# Altium PCB ruler.PcbDoc (part 2 of 3)
Units mm, origin at the board's own origin, x right, y up, seen from the top; angles counter-clockwise.
Board outline 306.81 x 38.35 mm, 2 copper layers (Top Layer, Bottom Layer); 47 components, 0 nets, 446 pads, 8 vias.
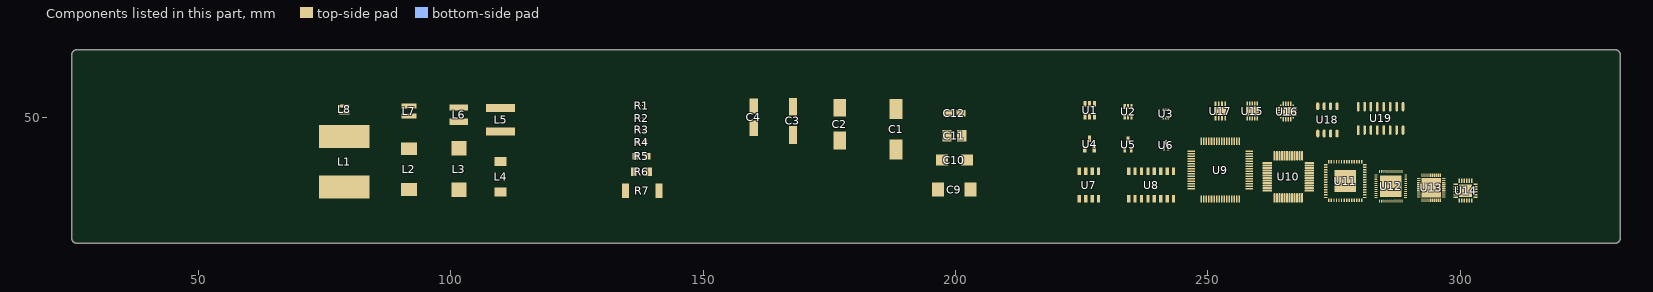
[diagram p2: the components of this part, seen from the top]

## Via types
v1: diameter 0.61, hole 0.51, Top Layer to Bottom Layer, 1 vias
v2: diameter 0.75, hole 0.65, Top Layer to Bottom Layer, 1 vias
v3: diameter 0.91, hole 0.81, Top Layer to Bottom Layer, 1 vias
v4: diameter 1.12, hole 1.02, Top Layer to Bottom Layer, 1 vias
v5: diameter 1.73, hole 1.63, Top Layer to Bottom Layer, 1 vias
v6: diameter 2.15, hole 2.05, Top Layer to Bottom Layer, 1 vias
v7: diameter 2.69, hole 2.59, Top Layer to Bottom Layer, 1 vias
v8: diameter 3.36, hole 3.26, Top Layer to Bottom Layer, 1 vias

## Nets (pads, with @x,y where several pads share a name; then routed paths per layer and width w, separated by ;. In a path a pad name is that pad's centre, name@x,y a point inside that pad or via, vN(x,y) a via of type N, cw(c..) or ccw(c..) an arc to the next point about the centre after c; other vN are vias at no path point) (continued)
copper on no net: | length 3451.8
  Top Layer w0.1: 321.691,33.718 321.691,48.218
  Top Layer w0.2: 319.786,33.718 319.786,48.218
  Top Layer w0.254: 35.858,57.246 35.958,57.246 ; 35.858,57.246 35.858,63.246 ; 35.858,57.246 35.958,57.246 ; 35.858,57.246 35.858,63.246 ; 35.858,63.246 35.958,63.246 ; 35.858,63.246 35.958,63.246 ; 35.958,57.246 35.958,63.246 ; 35.958,57.246 35.958,63.246 ; 45.858,57.246 45.958,57.246 ; 45.858,57.246 45.858,63.246 ; 45.858,57.246 45.958,57.246 ; 45.858,57.246 45.858,63.246 ; 45.858,63.246 45.958,63.246 ; 45.858,63.246 45.958,63.246 ; 45.958,57.246 45.958,63.246 ; 45.958,57.246 45.958,63.246 ; 55.858,57.246 55.958,57.246 ; 55.858,57.246 55.858,63.246 ; 55.858,57.246 55.958,57.246 ; 55.858,57.246 55.858,63.246 ; 55.858,63.246 55.958,63.246 ; 55.858,63.246 55.958,63.246 ; 55.958,57.246 55.958,63.246 ; 55.958,57.246 55.958,63.246 ; 65.858,57.246 65.958,57.246 ; 65.858,57.246 65.858,63.246 ; 65.858,57.246 65.958,57.246 ; 65.858,57.246 65.858,63.246 ; 65.858,63.246 65.958,63.246 ; 65.858,63.246 65.958,63.246 ; 65.958,57.246 65.958,63.246 ; 65.958,57.246 65.958,63.246 ; 75.858,57.246 75.958,57.246 ; 75.858,57.246 75.858,63.246 ; 75.858,57.246 75.958,57.246 ; 75.858,57.246 75.858,63.246 ; 75.858,63.246 75.958,63.246 ; 75.858,63.246 75.958,63.246 ; 75.958,57.246 75.958,63.246 ; 75.958,57.246 75.958,63.246 ; 76.658,25.146 76.758,25.146 ; 76.658,25.146 76.658,31.146 ; 76.658,25.146 76.758,25.146 ; 76.658,25.146 76.658,31.146 ; 76.658,31.146 76.758,31.146 ; 76.658,31.146 76.758,31.146 ; 76.758,25.146 76.758,31.146 ; 76.758,25.146 76.758,31.146 ; 85.858,57.246 85.958,57.246 ; 85.858,57.246 85.858,63.246 ; 85.858,57.246 85.958,57.246 ; 85.858,57.246 85.858,63.246 ; 85.858,63.246 85.958,63.246 ; 85.858,63.246 85.958,63.246 ; 85.958,57.246 85.958,63.246 ; 85.958,57.246 85.958,63.246 ; 95.858,57.246 95.958,57.246 ; 95.858,57.246 95.858,63.246 ; 95.858,57.246 95.958,57.246 ; 95.858,57.246 95.858,63.246 ; 95.858,63.246 95.958,63.246 ; 95.858,63.246 95.958,63.246 ; 95.958,57.246 95.958,63.246 ; 95.958,57.246 95.958,63.246 ; 102.008,25.146 102.108,25.146 ; 102.008,25.146 102.008,31.146 ; 102.008,25.146 102.108,25.146 ; 102.008,25.146 102.008,31.146 ; 102.008,31.146 102.108,31.146 ; 102.008,31.146 102.108,31.146 ; 102.108,25.146 102.108,31.146 ; 102.108,25.146 102.108,31.146 ; 105.858,57.246 105.958,57.246 ; 105.858,57.246 105.858,63.246 ; 105.858,57.246 105.958,57.246 ; 105.858,57.246 105.858,63.246 ; 105.858,63.246 105.958,63.246 ; 105.858,63.246 105.958,63.246 ; 105.958,57.246 105.958,63.246 ; 105.958,57.246 105.958,63.246 ; 115.858,57.246 115.958,57.246 ; 115.858,57.246 115.858,63.246 ; 115.858,57.246 115.958,57.246 ; 115.858,57.246 115.858,63.246 ; 115.858,63.246 115.958,63.246 ; 115.858,63.246 115.958,63.246 ; 115.958,57.246 115.958,63.246 ; 115.958,57.246 115.958,63.246 ; 125.858,57.246 125.958,57.246 ; 125.858,57.246 125.858,63.246 ; 125.858,57.246 125.958,57.246 ; 125.858,57.246 125.858,63.246 ; 125.858,63.246 125.958,63.246 ; 125.858,63.246 125.958,63.246 ; 125.958,57.246 125.958,63.246 ; 125.958,57.246 125.958,63.246 ; 127.358,25.146 127.458,25.146 ; 127.358,25.146 127.358,31.146 ; 127.358,25.146 127.458,25.146 ; 127.358,25.146 127.358,31.146 ; 127.358,31.146 127.458,31.146 ; 127.358,31.146 127.458,31.146 ; 127.458,25.146 127.458,31.146 ; 127.458,25.146 127.458,31.146 ; 135.858,57.246 135.958,57.246 ; 135.858,57.246 135.858,63.246 ; 135.858,57.246 135.958,57.246 ; 135.858,57.246 135.858,63.246 ; 135.858,63.246 135.958,63.246 ; 135.858,63.246 135.958,63.246 ; 135.958,57.246 135.958,63.246 ; 135.958,57.246 135.958,63.246 ; 145.858,57.246 145.958,57.246 ; 145.858,57.246 145.858,63.246 ; 145.858,57.246 145.958,57.246 ; 145.858,57.246 145.858,63.246 ; 145.858,63.246 145.958,63.246 ; 145.858,63.246 145.958,63.246 ; 145.958,57.246 145.958,63.246 ; 145.958,57.246 145.958,63.246 ; 152.708,25.146 152.808,25.146 ; 152.708,25.146 152.708,31.146 ; 152.708,25.146 152.808,25.146 ; 152.708,25.146 152.708,31.146 ; 152.708,31.146 152.808,31.146 ; 152.708,31.146 152.808,31.146 ; 152.808,25.146 152.808,31.146 ; 152.808,25.146 152.808,31.146 ; 155.858,57.246 155.958,57.246 ; 155.858,57.246 155.858,63.246 ; 155.858,57.246 155.958,57.246 ; 155.858,57.246 155.858,63.246 ; 155.858,63.246 155.958,63.246 ; 155.858,63.246 155.958,63.246 ; 155.958,57.246 155.958,63.246 ; 155.958,57.246 155.958,63.246 ; 165.858,57.246 165.958,57.246 ; 165.858,57.246 165.858,63.246 ; 165.858,57.246 165.958,57.246 ; 165.858,57.246 165.858,63.246 ; 165.858,63.246 165.958,63.246 ; 165.858,63.246 165.958,63.246 ; 165.958,57.246 165.958,63.246 ; 165.958,57.246 165.958,63.246 ; 175.858,57.246 175.958,57.246 ; 175.858,57.246 175.858,63.246 ; 175.858,57.246 175.958,57.246 ; 175.858,57.246 175.858,63.246 ; 175.858,63.246 175.958,63.246 ; 175.858,63.246 175.958,63.246 ; 175.958,57.246 175.958,63.246 ; 175.958,57.246 175.958,63.246 ; 178.058,25.146 178.158,25.146 ; 178.058,25.146 178.058,31.146 ; 178.058,25.146 178.158,25.146 ; 178.058,25.146 178.058,31.146 ; 178.058,31.146 178.158,31.146 ; 178.058,31.146 178.158,31.146 ; 178.158,25.146 178.158,31.146 ; 178.158,25.146 178.158,31.146 ; 185.858,57.246 185.958,57.246 ; 185.858,57.246 185.858,63.246 ; 185.858,57.246 185.958,57.246 ; 185.858,57.246 185.858,63.246 ; 185.858,63.246 185.958,63.246 ; 185.858,63.246 185.958,63.246 ; 185.958,57.246 185.958,63.246 ; 185.958,57.246 185.958,63.246 ; 195.858,57.246 195.958,57.246 ; 195.858,57.246 195.858,63.246 ; 195.858,57.246 195.958,57.246 ; 195.858,57.246 195.858,63.246 ; 195.858,63.246 195.958,63.246 ; 195.858,63.246 195.958,63.246 ; 195.958,57.246 195.958,63.246 ; 195.958,57.246 195.958,63.246 ; 203.408,25.146 203.508,25.146 ; 203.408,25.146 203.408,31.146 ; 203.408,25.146 203.508,25.146 ; 203.408,25.146 203.408,31.146 ; 203.408,31.146 203.508,31.146 ; 203.408,31.146 203.508,31.146 ; 203.508,25.146 203.508,31.146 ; 203.508,25.146 203.508,31.146 ; 205.858,57.246 205.958,57.246 ; 205.858,57.246 205.858,63.246 ; 205.858,57.246 205.958,57.246 ; 205.858,57.246 205.858,63.246 ; 205.858,63.246 205.958,63.246 ; 205.858,63.246 205.958,63.246 ; 205.958,57.246 205.958,63.246 ; 205.958,57.246 205.958,63.246 ; 215.858,57.246 215.958,57.246 ; 215.858,57.246 215.858,63.246 ; 215.858,57.246 215.958,57.246 ; 215.858,57.246 215.858,63.246 ; 215.858,63.246 215.958,63.246 ; 215.858,63.246 215.958,63.246 ; 215.958,57.246 215.958,63.246 ; 215.958,57.246 215.958,63.246 ; 225.858,57.246 225.958,57.246 ; 225.858,57.246 225.858,63.246 ; 225.858,57.246 225.958,57.246 ; 225.858,57.246 225.858,63.246 ; 225.858,63.246 225.958,63.246 ; 225.858,63.246 225.958,63.246 ; 225.958,57.246 225.958,63.246 ; 225.958,57.246 225.958,63.246 ; 228.758,25.146 228.858,25.146 ; 228.758,25.146 228.758,31.146 ; 228.758,25.146 228.858,25.146 ; 228.758,25.146 228.758,31.146 ; 228.758,31.146 228.858,31.146 ; 228.758,31.146 228.858,31.146 ; 228.858,25.146 228.858,31.146 ; 228.858,25.146 228.858,31.146 ; 235.858,57.246 235.958,57.246 ; 235.858,57.246 235.858,63.246 ; 235.858,57.246 235.958,57.246 ; 235.858,57.246 235.858,63.246 ; 235.858,63.246 235.958,63.246 ; 235.858,63.246 235.958,63.246 ; 235.958,57.246 235.958,63.246 ; 235.958,57.246 235.958,63.246 ; 245.858,57.246 245.958,57.246 ; 245.858,57.246 245.858,63.246 ; 245.858,57.246 245.958,57.246 ; 245.858,57.246 245.858,63.246 ; 245.858,63.246 245.958,63.246 ; 245.858,63.246 245.958,63.246 ; 245.958,57.246 245.958,63.246 ; 245.958,57.246 245.958,63.246 ; 254.108,25.146 254.208,25.146 ; 254.108,25.146 254.108,31.146 ; 254.108,25.146 254.208,25.146 ; 254.108,25.146 254.108,31.146 ; 254.108,31.146 254.208,31.146 ; 254.108,31.146 254.208,31.146 ; 254.208,25.146 254.208,31.146 ; 254.208,25.146 254.208,31.146 ; 255.858,57.246 255.958,57.246 ; 255.858,57.246 255.858,63.246 ; 255.858,57.246 255.958,57.246 ; 255.858,57.246 255.858,63.246 ; 255.858,63.246 255.958,63.246 ; 255.858,63.246 255.958,63.246 ; 255.958,57.246 255.958,63.246 ; 255.958,57.246 255.958,63.246 ; 265.858,57.246 265.958,57.246 ; 265.858,57.246 265.858,63.246 ; 265.858,57.246 265.958,57.246 ; 265.858,57.246 265.858,63.246 ; 265.858,63.246 265.958,63.246 ; 265.858,63.246 265.958,63.246 ; 265.958,57.246 265.958,63.246 ; 265.958,57.246 265.958,63.246 ; 275.858,57.246 275.958,57.246 ; 275.858,57.246 275.858,63.246 ; 275.858,57.246 275.958,57.246 ; 275.858,57.246 275.858,63.246 ; 275.858,63.246 275.958,63.246 ; 275.858,63.246 275.958,63.246 ; 275.958,57.246 275.958,63.246 ; 275.958,57.246 275.958,63.246 ; 279.458,25.146 279.558,25.146 ; 279.458,25.146 279.458,31.146 ; 279.458,25.146 279.558,25.146 ; 279.458,25.146 279.458,31.146 ; 279.458,31.146 279.558,31.146 ; 279.458,31.146 279.558,31.146 ; 279.558,25.146 279.558,31.146 ; 279.558,25.146 279.558,31.146 ; 285.858,57.246 285.958,57.246 ; 285.858,57.246 285.858,63.246 ; 285.858,57.246 285.958,57.246 ; 285.858,57.246 285.858,63.246 ; 285.858,63.246 285.958,63.246 ; 285.858,63.246 285.958,63.246 ; 285.958,57.246 285.958,63.246 ; 285.958,57.246 285.958,63.246 ; 295.858,57.246 295.958,57.246 ; 295.858,57.246 295.858,63.246 ; 295.858,57.246 295.958,57.246 ; 295.858,57.246 295.858,63.246 ; 295.858,63.246 295.958,63.246 ; 295.858,63.246 295.958,63.246 ; 295.958,57.246 295.958,63.246 ; 295.958,57.246 295.958,63.246 ; 304.808,25.146 304.908,25.146 ; 304.808,25.146 304.808,31.146 ; 304.808,25.146 304.908,25.146 ; 304.808,25.146 304.808,31.146 ; 304.808,31.146 304.908,31.146 ; 304.808,31.146 304.908,31.146 ; 304.908,25.146 304.908,31.146 ; 304.908,25.146 304.908,31.146 ; 305.858,57.246 305.958,57.246 ; 305.858,57.246 305.858,63.246 ; 305.858,57.246 305.958,57.246 ; 305.858,57.246 305.858,63.246 ; 305.858,63.246 305.958,63.246 ; 305.858,63.246 305.958,63.246 ; 305.958,57.246 305.958,63.246 ; 305.958,57.246 305.958,63.246 ; 315.858,57.246 315.958,57.246 ; 315.858,57.246 315.858,63.246 ; 315.858,57.246 315.958,57.246 ; 315.858,57.246 315.858,63.246 ; 315.858,63.246 315.958,63.246 ; 315.858,63.246 315.958,63.246 ; 315.958,57.246 315.958,63.246 ; 315.958,57.246 315.958,63.246 ; 25.858,57.246 25.958,57.246 25.958,63.246 25.858,63.246 25.858,57.246 ; 25.908,25.146 26.008,25.146 26.008,31.146 25.908,31.146 25.908,25.146 ; 26.858,61.246 26.958,61.246 26.958,63.246 26.858,63.246 26.858,61.246 ; 27.509,25.145 27.609,25.145 27.609,27.145 27.509,27.145 27.509,25.145 ; 27.858,61.246 27.958,61.246 27.958,63.246 27.858,63.246 27.858,61.246 ; 28.858,61.246 28.958,61.246 28.958,63.246 28.858,63.246 28.858,61.246 ; 29.033,25.146 29.133,25.146 29.133,28.646 29.033,28.646 29.033,25.146 ; 29.858,61.246 29.958,61.246 29.958,63.246 29.858,63.246 29.858,61.246 ; 30.62,25.145 30.72,25.145 30.72,27.145 30.62,27.145 30.62,25.145 ; 30.858,59.246 30.958,59.246 30.958,63.246 30.858,63.246 30.858,59.246 ; 31.858,61.246 31.958,61.246 31.958,63.246 31.858,63.246 31.858,61.246 ; 32.208,25.146 32.308,25.146 32.308,28.646 32.208,28.646 32.208,25.146 ; 32.858,61.246 32.958,61.246 32.958,63.246 32.858,63.246 32.858,61.246 ; 33.796,25.145 33.896,25.145 33.896,27.145 33.796,27.145 33.796,25.145 ; 33.858,61.246 33.958,61.246 33.958,63.246 33.858,63.246 33.858,61.246 ; 34.858,61.246 34.958,61.246 34.958,63.246 34.858,63.246 34.858,61.246 ; 35.383,25.146 35.483,25.146 35.483,28.646 35.383,28.646 35.383,25.146 ; 36.858,61.246 36.958,61.246 36.958,63.246 36.858,63.246 36.858,61.246 ; 37.034,25.145 37.134,25.145 37.134,27.145 37.034,27.145 37.034,25.145 ; 37.858,61.246 37.958,61.246 37.958,63.246 37.858,63.246 37.858,61.246 ; 38.558,25.146 38.658,25.146 38.658,28.646 38.558,28.646 38.558,25.146 ; 38.858,61.246 38.958,61.246 38.958,63.246 38.858,63.246 38.858,61.246 ; 39.858,61.246 39.958,61.246 39.958,63.246 39.858,63.246 39.858,61.246 ; 40.146,25.145 40.246,25.145 40.246,27.145 40.146,27.145 40.146,25.145 ; 40.858,59.246 40.958,59.246 40.958,63.246 40.858,63.246 40.858,59.246 ; 41.733,25.146 41.833,25.146 41.833,28.646 41.733,28.646 41.733,25.146 ; 41.858,61.246 41.958,61.246 41.958,63.246 41.858,63.246 41.858,61.246 ; 42.858,61.246 42.958,61.246 42.958,63.246 42.858,63.246 42.858,61.246 ; 43.32,25.145 43.42,25.145 43.42,27.145 43.32,27.145 43.32,25.145 ; 43.858,61.246 43.958,61.246 43.958,63.246 43.858,63.246 43.858,61.246 ; 44.858,61.246 44.958,61.246 44.958,63.246 44.858,63.246 44.858,61.246 ; 44.908,25.146 45.008,25.146 45.008,28.646 44.908,28.646 44.908,25.146 ; 46.496,25.145 46.596,25.145 46.596,27.145 46.496,27.145 46.496,25.145 ; 46.858,61.246 46.958,61.246 46.958,63.246 46.858,63.246 46.858,61.246 ; 47.858,61.246 47.958,61.246 47.958,63.246 47.858,63.246 47.858,61.246 ; 48.083,25.146 48.183,25.146 48.183,28.646 48.083,28.646 48.083,25.146 ; 48.858,61.246 48.958,61.246 48.958,63.246 48.858,63.246 48.858,61.246 ; 49.67,25.145 49.77,25.145 49.77,27.145 49.67,27.145 49.67,25.145 ; 49.858,61.246 49.958,61.246 49.958,63.246 49.858,63.246 49.858,61.246 ; 50.858,59.246 50.958,59.246 50.958,63.246 50.858,63.246 50.858,59.246 ; 51.258,25.146 51.358,25.146 51.358,31.146 51.258,31.146 51.258,25.146 ; 51.308,25.146 51.408,25.146 51.408,31.146 51.308,31.146 51.308,25.146 ; 51.858,61.246 51.958,61.246 51.958,63.246 51.858,63.246 51.858,61.246 ; 52.858,61.246 52.958,61.246 52.958,63.246 52.858,63.246 52.858,61.246 ; 52.909,25.145 53.009,25.145 53.009,27.145 52.909,27.145 52.909,25.145 ; 53.858,61.246 53.958,61.246 53.958,63.246 53.858,63.246 53.858,61.246 ; 54.433,25.146 54.533,25.146 54.533,28.646 54.433,28.646 54.433,25.146 ; 54.858,61.246 54.958,61.246 54.958,63.246 54.858,63.246 54.858,61.246 ; 56.02,25.145 56.12,25.145 56.12,27.145 56.02,27.145 56.02,25.145 ; 56.858,61.246 56.958,61.246 56.958,63.246 56.858,63.246 56.858,61.246 ; 57.608,25.146 57.708,25.146 57.708,28.646 57.608,28.646 57.608,25.146 ; 57.858,61.246 57.958,61.246 57.958,63.246 57.858,63.246 57.858,61.246 ; 58.858,61.246 58.958,61.246 58.958,63.246 58.858,63.246 58.858,61.246 ; 59.196,25.145 59.296,25.145 59.296,27.145 59.196,27.145 59.196,25.145 ; 59.858,61.246 59.958,61.246 59.958,63.246 59.858,63.246 59.858,61.246 ; 60.783,25.146 60.883,25.146 60.883,28.646 60.783,28.646 60.783,25.146 ; 60.858,59.246 60.958,59.246 60.958,63.246 60.858,63.246 60.858,59.246 ; 61.858,61.246 61.958,61.246 61.958,63.246 61.858,63.246 61.858,61.246 ; 62.434,25.145 62.534,25.145 62.534,27.145 62.434,27.145 62.434,25.145 ; 62.858,61.246 62.958,61.246 62.958,63.246 62.858,63.246 62.858,61.246 ; 63.858,61.246 63.958,61.246 63.958,63.246 63.858,63.246 63.858,61.246 ; 63.958,25.146 64.058,25.146 64.058,28.646 63.958,28.646 63.958,25.146 ; 64.858,61.246 64.958,61.246 64.958,63.246 64.858,63.246 64.858,61.246 ; 65.546,25.145 65.646,25.145 65.646,27.145 65.546,27.145 65.546,25.145 ; 66.858,61.246 66.958,61.246 66.958,63.246 66.858,63.246 66.858,61.246 ; 67.133,25.146 67.233,25.146 67.233,28.646 67.133,28.646 67.133,25.146 ; 67.858,61.246 67.958,61.246 67.958,63.246 67.858,63.246 67.858,61.246 ; 68.72,25.145 68.82,25.145 68.82,27.145 68.72,27.145 68.72,25.145 ; 68.858,61.246 68.958,61.246 68.958,63.246 68.858,63.246 68.858,61.246 ; 69.858,61.246 69.958,61.246 69.958,63.246 69.858,63.246 69.858,61.246 ; 70.308,25.146 70.408,25.146 70.408,28.646 70.308,28.646 70.308,25.146 ; 70.858,59.246 70.958,59.246 70.958,63.246 70.858,63.246 70.858,59.246 ; 71.858,61.246 71.958,61.246 71.958,63.246 71.858,63.246 71.858,61.246 ; 71.896,25.145 71.996,25.145 71.996,27.145 71.896,27.145 71.896,25.145 ; 72.858,61.246 72.958,61.246 72.958,63.246 72.858,63.246 72.858,61.246 ; 73.483,25.146 73.583,25.146 73.583,28.646 73.483,28.646 73.483,25.146 ; 73.858,61.246 73.958,61.246 73.958,63.246 73.858,63.246 73.858,61.246 ; 74.858,61.246 74.958,61.246 74.958,63.246 74.858,63.246 74.858,61.246 ; 75.07,25.145 75.17,25.145 75.17,27.145 75.07,27.145 75.07,25.145 ; 76.858,61.246 76.958,61.246 76.958,63.246 76.858,63.246 76.858,61.246 ; 77.858,61.246 77.958,61.246 77.958,63.246 77.858,63.246 77.858,61.246 ; 78.259,25.145 78.359,25.145 78.359,27.145 78.259,27.145 78.259,25.145 ; 78.858,61.246 78.958,61.246 78.958,63.246 78.858,63.246 78.858,61.246 ; 79.783,25.146 79.883,25.146 79.883,28.646 79.783,28.646 79.783,25.146 ; 79.858,61.246 79.958,61.246 79.958,63.246 79.858,63.246 79.858,61.246 ; 80.858,59.246 80.958,59.246 80.958,63.246 80.858,63.246 80.858,59.246 ; 81.37,25.145 81.47,25.145 81.47,27.145 81.37,27.145 81.37,25.145 ; 81.858,61.246 81.958,61.246 81.958,63.246 81.858,63.246 81.858,61.246 ; 82.858,61.246 82.958,61.246 82.958,63.246 82.858,63.246 82.858,61.246 ; 82.958,25.146 83.058,25.146 83.058,28.646 82.958,28.646 82.958,25.146 ; 83.858,61.246 83.958,61.246 83.958,63.246 83.858,63.246 83.858,61.246 ; 84.546,25.145 84.646,25.145 84.646,27.145 84.546,27.145 84.546,25.145 ; 84.858,61.246 84.958,61.246 84.958,63.246 84.858,63.246 84.858,61.246 ; 86.133,25.146 86.233,25.146 86.233,28.646 86.133,28.646 86.133,25.146 ; 86.858,61.246 86.958,61.246 86.958,63.246 86.858,63.246 86.858,61.246 ; 87.784,25.145 87.884,25.145 87.884,27.145 87.784,27.145 87.784,25.145 ; 87.858,61.246 87.958,61.246 87.958,63.246 87.858,63.246 87.858,61.246 ; 88.858,61.246 88.958,61.246 88.958,63.246 88.858,63.246 88.858,61.246 ; 89.308,25.146 89.408,25.146 89.408,28.646 89.308,28.646 89.308,25.146 ; 89.858,61.246 89.958,61.246 89.958,63.246 89.858,63.246 89.858,61.246 ; 90.858,59.246 90.958,59.246 90.958,63.246 90.858,63.246 90.858,59.246 ; 90.896,25.145 90.996,25.145 90.996,27.145 90.896,27.145 90.896,25.145 ; 91.858,61.246 91.958,61.246 91.958,63.246 91.858,63.246 91.858,61.246 ; 92.483,25.146 92.583,25.146 92.583,28.646 92.483,28.646 92.483,25.146 ; 92.858,61.246 92.958,61.246 92.958,63.246 92.858,63.246 92.858,61.246 ; 93.858,61.246 93.958,61.246 93.958,63.246 93.858,63.246 93.858,61.246 ; 94.07,25.145 94.17,25.145 94.17,27.145 94.07,27.145 94.07,25.145 ; 94.858,61.246 94.958,61.246 94.958,63.246 94.858,63.246 94.858,61.246 ; 95.658,25.146 95.758,25.146 95.758,28.646 95.658,28.646 95.658,25.146 ; 96.858,61.246 96.958,61.246 96.958,63.246 96.858,63.246 96.858,61.246 ; 97.246,25.145 97.346,25.145 97.346,27.145 97.246,27.145 97.246,25.145 ; 97.858,61.246 97.958,61.246 97.958,63.246 97.858,63.246 97.858,61.246 ; 98.833,25.146 98.933,25.146 98.933,28.646 98.833,28.646 98.833,25.146 ; 98.858,61.246 98.958,61.246 98.958,63.246 98.858,63.246 98.858,61.246 ; 99.858,61.246 99.958,61.246 99.958,63.246 99.858,63.246 99.858,61.246 ; 100.42,25.145 100.52,25.145 100.52,27.145 100.42,27.145 100.42,25.145 ; 100.858,59.246 100.958,59.246 100.958,63.246 100.858,63.246 100.858,59.246 ; 101.858,61.246 101.958,61.246 101.958,63.246 101.858,63.246 101.858,61.246 ; 102.858,61.246 102.958,61.246 102.958,63.246 102.858,63.246 102.858,61.246 ; 103.609,25.145 103.709,25.145 103.709,27.145 103.609,27.145 103.609,25.145 ; 103.858,61.246 103.958,61.246 103.958,63.246 103.858,63.246 103.858,61.246 ; 104.858,61.246 104.958,61.246 104.958,63.246 104.858,63.246 104.858,61.246 ; 105.133,25.146 105.233,25.146 105.233,28.646 105.133,28.646 105.133,25.146 ; 106.72,25.145 106.82,25.145 106.82,27.145 106.72,27.145 106.72,25.145 ; 106.858,61.246 106.958,61.246 106.958,63.246 106.858,63.246 106.858,61.246 ; 107.858,61.246 107.958,61.246 107.958,63.246 107.858,63.246 107.858,61.246 ; 108.308,25.146 108.408,25.146 108.408,28.646 108.308,28.646 108.308,25.146 ; 108.858,61.246 108.958,61.246 108.958,63.246 108.858,63.246 108.858,61.246 ; 109.858,61.246 109.958,61.246 109.958,63.246 109.858,63.246 109.858,61.246 ; 109.896,25.145 109.996,25.145 109.996,27.145 109.896,27.145 109.896,25.145 ; 110.858,59.246 110.958,59.246 110.958,63.246 110.858,63.246 110.858,59.246 ; 111.483,25.146 111.583,25.146 111.583,28.646 111.483,28.646 111.483,25.146 ; 111.858,61.246 111.958,61.246 111.958,63.246 111.858,63.246 111.858,61.246 ; 112.858,61.246 112.958,61.246 112.958,63.246 112.858,63.246 112.858,61.246 ; 113.134,25.145 113.234,25.145 113.234,27.145 113.134,27.145 113.134,25.145 ; 113.858,61.246 113.958,61.246 113.958,63.246 113.858,63.246 113.858,61.246 ; 114.658,25.146 114.758,25.146 114.758,28.646 114.658,28.646 114.658,25.146 ; 114.858,61.246 114.958,61.246 114.958,63.246 114.858,63.246 114.858,61.246 ; 116.246,25.145 116.346,25.145 116.346,27.145 116.246,27.145 116.246,25.145 ; 116.858,61.246 116.958,61.246 116.958,63.246 116.858,63.246 116.858,61.246 ; 117.833,25.146 117.933,25.146 117.933,28.646 117.833,28.646 117.833,25.146 ; 117.858,61.246 117.958,61.246 117.958,63.246 117.858,63.246 117.858,61.246 ; 118.858,61.246 118.958,61.246 118.958,63.246 118.858,63.246 118.858,61.246 ; 119.42,25.145 119.52,25.145 119.52,27.145 119.42,27.145 119.42,25.145 ; 119.858,61.246 119.958,61.246 119.958,63.246 119.858,63.246 119.858,61.246 ; 120.858,59.246 120.958,59.246 120.958,63.246 120.858,63.246 120.858,59.246 ; 121.008,25.146 121.108,25.146 121.108,28.646 121.008,28.646 121.008,25.146 ; 121.858,61.246 121.958,61.246 121.958,63.246 121.858,63.246 121.858,61.246 ; 122.596,25.145 122.696,25.145 122.696,27.145 122.596,27.145 122.596,25.145 ; 122.858,61.246 122.958,61.246 122.958,63.246 122.858,63.246 122.858,61.246 ; 123.858,61.246 123.958,61.246 123.958,63.246 123.858,63.246 123.858,61.246 ; 124.183,25.146 124.283,25.146 124.283,28.646 124.183,28.646 124.183,25.146 ; 124.858,61.246 124.958,61.246 124.958,63.246 124.858,63.246 124.858,61.246 ; 125.77,25.145 125.87,25.145 125.87,27.145 125.77,27.145 125.77,25.145 ; 126.858,61.246 126.958,61.246 126.958,63.246 126.858,63.246 126.858,61.246 ; 127.858,61.246 127.958,61.246 127.958,63.246 127.858,63.246 127.858,61.246 ; 128.858,61.246 128.958,61.246 128.958,63.246 128.858,63.246 128.858,61.246 ; 128.959,25.145 129.059,25.145 129.059,27.145 128.959,27.145 128.959,25.145 ; 129.858,61.246 129.958,61.246 129.958,63.246 129.858,63.246 129.858,61.246 ; 130.483,25.146 130.583,25.146 130.583,28.646 130.483,28.646 130.483,25.146 ; 130.858,59.246 130.958,59.246 130.958,63.246 130.858,63.246 130.858,59.246 ; 131.858,61.246 131.958,61.246 131.958,63.246 131.858,63.246 131.858,61.246 ; 132.07,25.145 132.17,25.145 132.17,27.145 132.07,27.145 132.07,25.145 ; 132.858,61.246 132.958,61.246 132.958,63.246 132.858,63.246 132.858,61.246 ; 133.658,25.146 133.758,25.146 133.758,28.646 133.658,28.646 133.658,25.146 ; 133.858,61.246 133.958,61.246 133.958,63.246 133.858,63.246 133.858,61.246 ; 134.858,61.246 134.958,61.246 134.958,63.246 134.858,63.246 134.858,61.246 ; 135.246,25.145 135.346,25.145 135.346,27.145 135.246,27.145 135.246,25.145 ; 136.833,25.146 136.933,25.146 136.933,28.646 136.833,28.646 136.833,25.146 ; 136.858,61.246 136.958,61.246 136.958,63.246 136.858,63.246 136.858,61.246 ; 137.858,61.246 137.958,61.246 137.958,63.246 137.858,63.246 137.858,61.246 ; 138.484,25.145 138.584,25.145 138.584,27.145 138.484,27.145 138.484,25.145 ; 138.858,61.246 138.958,61.246 138.958,63.246 138.858,63.246 138.858,61.246 ; 139.858,61.246 139.958,61.246 139.958,63.246 139.858,63.246 139.858,61.246 ; 140.008,25.146 140.108,25.146 140.108,28.646 140.008,28.646 140.008,25.146 ; 140.858,59.246 140.958,59.246 140.958,63.246 140.858,63.246 140.858,59.246 ; 141.596,25.145 141.696,25.145 141.696,27.145 141.596,27.145 141.596,25.145 ; 141.858,61.246 141.958,61.246 141.958,63.246 141.858,63.246 141.858,61.246 ; 142.858,61.246 142.958,61.246 142.958,63.246 142.858,63.246 142.858,61.246 ; 143.183,25.146 143.283,25.146 143.283,28.646 143.183,28.646 143.183,25.146 ; 143.858,61.246 143.958,61.246 143.958,63.246 143.858,63.246 143.858,61.246 ; 144.77,25.145 144.87,25.145 144.87,27.145 144.77,27.145 144.77,25.145 ; 144.858,61.246 144.958,61.246 144.958,63.246 144.858,63.246 144.858,61.246 ; 146.358,25.146 146.458,25.146 146.458,28.646 146.358,28.646 146.358,25.146 ; 146.858,61.246 146.958,61.246 146.958,63.246 146.858,63.246 146.858,61.246 ; 147.858,61.246 147.958,61.246 147.958,63.246 147.858,63.246 147.858,61.246 ; 147.946,25.145 148.046,25.145 148.046,27.145 147.946,27.145 147.946,25.145 ; 148.858,61.246 148.958,61.246 148.958,63.246 148.858,63.246 148.858,61.246 ; 149.533,25.146 149.633,25.146 149.633,28.646 149.533,28.646 149.533,25.146 ; 149.858,61.246 149.958,61.246 149.958,63.246 149.858,63.246 149.858,61.246 ; 150.858,59.246 150.958,59.246 150.958,63.246 150.858,63.246 150.858,59.246 ; 151.12,25.145 151.22,25.145 151.22,27.145 151.12,27.145 151.12,25.145 ; 151.858,61.246 151.958,61.246 151.958,63.246 151.858,63.246 151.858,61.246 ; 152.858,61.246 152.958,61.246 152.958,63.246 152.858,63.246 152.858,61.246 ; 153.858,61.246 153.958,61.246 153.958,63.246 153.858,63.246 153.858,61.246 ; 154.309,25.145 154.409,25.145 154.409,27.145 154.309,27.145 154.309,25.145 ; 154.858,61.246 154.958,61.246 154.958,63.246 154.858,63.246 154.858,61.246 ; 155.833,25.146 155.933,25.146 155.933,28.646 155.833,28.646 155.833,25.146 ; 156.858,61.246 156.958,61.246 156.958,63.246 156.858,63.246 156.858,61.246 ; 157.42,25.145 157.52,25.145 157.52,27.145 157.42,27.145 157.42,25.145 ; 157.858,61.246 157.958,61.246 157.958,63.246 157.858,63.246 157.858,61.246 ; 158.858,61.246 158.958,61.246 158.958,63.246 158.858,63.246 158.858,61.246 ; 159.008,25.146 159.108,25.146 159.108,28.646 159.008,28.646 159.008,25.146 ; 159.858,61.246 159.958,61.246 159.958,63.246 159.858,63.246 159.858,61.246 ; 160.596,25.145 160.696,25.145 160.696,27.145 160.596,27.145 160.596,25.145 ; 160.858,59.246 160.958,59.246 160.958,63.246 160.858,63.246 160.858,59.246 ; 161.29,35.052 162.635,35.052 162.635,36.322 161.29,36.322 161.29,35.052 ; 161.858,61.246 161.958,61.246 161.958,63.246 161.858,63.246 161.858,61.246 ; 162.183,25.146 162.283,25.146 162.283,28.646 162.183,28.646 162.183,25.146 ; 162.488,40.64 ccw(c162.016,40.64) 162.488,40.64 ; 162.858,61.246 162.958,61.246 162.958,63.246 162.858,63.246 162.858,61.246 ; 163.834,25.145 163.934,25.145 163.934,27.145 163.834,27.145 163.834,25.145 ; 163.858,61.246 163.958,61.246 163.958,63.246 163.858,63.246 163.858,61.246 ; 164.858,61.246 164.958,61.246 164.958,63.246 164.858,63.246 164.858,61.246 ; 165.358,25.146 165.458,25.146 165.458,28.646 165.358,28.646 165.358,25.146 ; 166.858,61.246 166.958,61.246 166.958,63.246 166.858,63.246 166.858,61.246 ; 166.946,25.145 167.046,25.145 167.046,27.145 166.946,27.145 166.946,25.145 ; 167.858,61.246 167.958,61.246 167.958,63.246 167.858,63.246 167.858,61.246 ; 168.533,25.146 168.633,25.146 168.633,28.646 168.533,28.646 168.533,25.146 ; 168.858,61.246 168.958,61.246 168.958,63.246 168.858,63.246 168.858,61.246 ; 169.858,61.246 169.958,61.246 169.958,63.246 169.858,63.246 169.858,61.246 ; 170.12,25.145 170.22,25.145 170.22,27.145 170.12,27.145 170.12,25.145 ; 170.858,59.246 170.958,59.246 170.958,63.246 170.858,63.246 170.858,59.246 ; 171.708,25.146 171.808,25.146 171.808,28.646 171.708,28.646 171.708,25.146 ; 171.858,61.246 171.958,61.246 171.958,63.246 171.858,63.246 171.858,61.246 ; 172.593,34.826 173.938,34.826 173.938,36.096 172.593,36.096 172.593,34.826 ; 172.858,61.246 172.958,61.246 172.958,63.246 172.858,63.246 172.858,61.246 ; 173.296,25.145 173.396,25.145 173.396,27.145 173.296,27.145 173.296,25.145 ; 173.7,38.961 ccw(c173.228,38.961) 173.7,38.961 ; 173.858,61.246 173.958,61.246 173.958,63.246 173.858,63.246 173.858,61.246 ; 174.858,61.246 174.958,61.246 174.958,63.246 174.858,63.246 174.858,61.246 ; 174.883,25.146 174.983,25.146 174.983,28.646 174.883,28.646 174.883,25.146 ; 176.47,25.145 176.57,25.145 176.57,27.145 176.47,27.145 176.47,25.145 ; 176.858,61.246 176.958,61.246 176.958,63.246 176.858,63.246 176.858,61.246 ; 177.858,61.246 177.958,61.246 177.958,63.246 177.858,63.246 177.858,61.246 ; 178.858,61.246 178.958,61.246 178.958,63.246 178.858,63.246 178.858,61.246 ; 179.659,25.145 179.759,25.145 179.759,27.145 179.659,27.145 179.659,25.145 ; 179.858,61.246 179.958,61.246 179.958,63.246 179.858,63.246 179.858,61.246 ; 180.858,59.246 180.958,59.246 180.958,63.246 180.858,63.246 180.858,59.246 ; 181.183,25.146 181.283,25.146 181.283,28.646 181.183,28.646 181.183,25.146 ; 181.858,61.246 181.958,61.246 181.958,63.246 181.858,63.246 181.858,61.246 ; 182.118,34.544 183.261,34.544 183.261,35.56 182.118,35.56 182.118,34.544 ; 182.77,25.145 182.87,25.145 182.87,27.145 182.77,27.145 182.77,25.145 ; 182.858,61.246 182.958,61.246 182.958,63.246 182.858,63.246 182.858,61.246 ; 183.225,37.56 ccw(c182.753,37.56) 183.225,37.56 ; 183.858,61.246 183.958,61.246 183.958,63.246 183.858,63.246 183.858,61.246 ; 184.358,25.146 184.458,25.146 184.458,28.646 184.358,28.646 184.358,25.146 ; 184.858,61.246 184.958,61.246 184.958,63.246 184.858,63.246 184.858,61.246 ; 185.946,25.145 186.046,25.145 186.046,27.145 185.946,27.145 185.946,25.145 ; 186.858,61.246 186.958,61.246 186.958,63.246 186.858,63.246 186.858,61.246 ; 187.533,25.146 187.633,25.146 187.633,28.646 187.533,28.646 187.533,25.146 ; 187.858,61.246 187.958,61.246 187.958,63.246 187.858,63.246 187.858,61.246 ; 188.858,61.246 188.958,61.246 188.958,63.246 188.858,63.246 188.858,61.246 ; 189.184,25.145 189.284,25.145 189.284,27.145 189.184,27.145 189.184,25.145 ; 189.858,61.246 189.958,61.246 189.958,63.246 189.858,63.246 189.858,61.246 ; 190.078,34.29 191.221,34.29 191.221,35.306 190.078,35.306 190.078,34.29 ; 190.708,25.146 190.808,25.146 190.808,28.646 190.708,28.646 190.708,25.146 ; 190.858,59.246 190.958,59.246 190.958,63.246 190.858,63.246 190.858,59.246 ; 191.099,36.89 ccw(c190.627,36.89) 191.099,36.89 ; 191.858,61.246 191.958,61.246 191.958,63.246 191.858,63.246 191.858,61.246 ; 192.296,25.145 192.396,25.145 192.396,27.145 192.296,27.145 192.296,25.145 ; 192.858,61.246 192.958,61.246 192.958,63.246 192.858,63.246 192.858,61.246 ; 193.858,61.246 193.958,61.246 193.958,63.246 193.858,63.246 193.858,61.246 ; 193.883,25.146 193.983,25.146 193.983,28.646 193.883,28.646 193.883,25.146 ; 194.858,61.246 194.958,61.246 194.958,63.246 194.858,63.246 194.858,61.246 ; 195.47,25.145 195.57,25.145 195.57,27.145 195.47,27.145 195.47,25.145 ; 196.858,61.246 196.958,61.246 196.958,63.246 196.858,63.246 196.858,61.246 ; 197.058,25.146 197.158,25.146 197.158,28.646 197.058,28.646 197.058,25.146 ; 197.858,61.246 197.958,61.246 197.958,63.246 197.858,63.246 197.858,61.246 ; 198.646,25.145 198.746,25.145 198.746,27.145 198.646,27.145 198.646,25.145 ; 198.858,61.246 198.958,61.246 198.958,63.246 198.858,63.246 198.858,61.246 ; 199.858,61.246 199.958,61.246 199.958,63.246 199.858,63.246 199.858,61.246 ; 200.233,25.146 200.333,25.146 200.333,28.646 200.233,28.646 200.233,25.146 ; 200.858,59.246 200.958,59.246 200.958,63.246 200.858,63.246 200.858,59.246 ; 201.82,25.145 201.92,25.145 201.92,27.145 201.82,27.145 201.82,25.145 ; 201.858,61.246 201.958,61.246 201.958,63.246 201.858,63.246 201.858,61.246 ; 202.858,61.246 202.958,61.246 202.958,63.246 202.858,63.246 202.858,61.246 ; 203.858,61.246 203.958,61.246 203.958,63.246 203.858,63.246 203.858,61.246 ; 204.858,61.246 204.958,61.246 204.958,63.246 204.858,63.246 204.858,61.246 ; 205.009,25.145 205.109,25.145 205.109,27.145 205.009,27.145 205.009,25.145 ; 206.533,25.146 206.633,25.146 206.633,28.646 206.533,28.646 206.533,25.146 ; 206.858,61.246 206.958,61.246 206.958,63.246 206.858,63.246 206.858,61.246 ; 207.858,61.246 207.958,61.246 207.958,63.246 207.858,63.246 207.858,61.246 ; 208.12,25.145 208.22,25.145 208.22,27.145 208.12,27.145 208.12,25.145 ; 208.858,61.246 208.958,61.246 208.958,63.246 208.858,63.246 208.858,61.246 ; 209.708,25.146 209.808,25.146 209.808,28.646 209.708,28.646 209.708,25.146 ; 209.858,61.246 209.958,61.246 209.958,63.246 209.858,63.246 209.858,61.246 ; 210.858,59.246 210.958,59.246 210.958,63.246 210.858,63.246 210.858,59.246 ; 211.296,25.145 211.396,25.145 211.396,27.145 211.296,27.145 211.296,25.145 ; 211.858,61.246 211.958,61.246 211.958,63.246 211.858,63.246 211.858,61.246 ; 212.858,61.246 212.958,61.246 212.958,63.246 212.858,63.246 212.858,61.246 ; 212.883,25.146 212.983,25.146 212.983,28.646 212.883,28.646 212.883,25.146 ; 213.858,61.246 213.958,61.246 213.958,63.246 213.858,63.246 213.858,61.246 ; 214.534,25.145 214.634,25.145 214.634,27.145 214.534,27.145 214.534,25.145 ; 214.858,61.246 214.958,61.246 214.958,63.246 214.858,63.246 214.858,61.246 ; 216.058,25.146 216.158,25.146 216.158,28.646 216.058,28.646 216.058,25.146 ; 216.858,61.246 216.958,61.246 216.958,63.246 216.858,63.246 216.858,61.246 ; 217.646,25.145 217.746,25.145 217.746,27.145 217.646,27.145 217.646,25.145 ; 217.858,61.246 217.958,61.246 217.958,63.246 217.858,63.246 217.858,61.246 ; 218.858,61.246 218.958,61.246 218.958,63.246 218.858,63.246 218.858,61.246 ; 219.233,25.146 219.333,25.146 219.333,28.646 219.233,28.646 219.233,25.146 ; 219.858,61.246 219.958,61.246 219.958,63.246 219.858,63.246 219.858,61.246 ; 220.82,25.145 220.92,25.145 220.92,27.145 220.82,27.145 220.82,25.145 ; 220.858,59.246 220.958,59.246 220.958,63.246 220.858,63.246 220.858,59.246 ; 221.858,61.246 221.958,61.246 221.958,63.246 221.858,63.246 221.858,61.246 ; 222.408,25.146 222.508,25.146 222.508,28.646 222.408,28.646 222.408,25.146 ; 222.858,61.246 222.958,61.246 222.958,63.246 222.858,63.246 222.858,61.246 ; 223.858,61.246 223.958,61.246 223.958,63.246 223.858,63.246 223.858,61.246 ; 223.996,25.145 224.096,25.145 224.096,27.145 223.996,27.145 223.996,25.145 ; 224.858,61.246 224.958,61.246 224.958,63.246 224.858,63.246 224.858,61.246 ; 225.583,25.146 225.683,25.146 225.683,28.646 225.583,28.646 225.583,25.146 ; 226.858,61.246 226.958,61.246 226.958,63.246 226.858,63.246 226.858,61.246 ; 227.17,25.145 227.27,25.145 227.27,27.145 227.17,27.145 227.17,25.145 ; 227.858,61.246 227.958,61.246 227.958,63.246 227.858,63.246 227.858,61.246 ; 228.858,61.246 228.958,61.246 228.958,63.246 228.858,63.246 228.858,61.246 ; 229.858,61.246 229.958,61.246 229.958,63.246 229.858,63.246 229.858,61.246 ; 230.359,25.145 230.459,25.145 230.459,27.145 230.359,27.145 230.359,25.145 ; 230.858,59.246 230.958,59.246 230.958,63.246 230.858,63.246 230.858,59.246 ; 231.858,61.246 231.958,61.246 231.958,63.246 231.858,63.246 231.858,61.246 ; 231.883,25.146 231.983,25.146 231.983,28.646 231.883,28.646 231.883,25.146 ; 232.858,61.246 232.958,61.246 232.958,63.246 232.858,63.246 232.858,61.246 ; 233.47,25.145 233.57,25.145 233.57,27.145 233.47,27.145 233.47,25.145 ; 233.858,61.246 233.958,61.246 233.958,63.246 233.858,63.246 233.858,61.246 ; 234.858,61.246 234.958,61.246 234.958,63.246 234.858,63.246 234.858,61.246 ; 235.058,25.146 235.158,25.146 235.158,28.646 235.058,28.646 235.058,25.146 ; 236.646,25.145 236.746,25.145 236.746,27.145 236.646,27.145 236.646,25.145 ; 236.858,61.246 236.958,61.246 236.958,63.246 236.858,63.246 236.858,61.246 ; 237.858,61.246 237.958,61.246 237.958,63.246 237.858,63.246 237.858,61.246 ; 238.233,25.146 238.333,25.146 238.333,28.646 238.233,28.646 238.233,25.146 ; 238.858,61.246 238.958,61.246 238.958,63.246 238.858,63.246 238.858,61.246 ; 239.858,61.246 239.958,61.246 239.958,63.246 239.858,63.246 239.858,61.246 ; 239.884,25.145 239.984,25.145 239.984,27.145 239.884,27.145 239.884,25.145 ; 240.858,59.246 240.958,59.246 240.958,63.246 240.858,63.246 240.858,59.246 ; 241.408,25.146 241.508,25.146 241.508,28.646 241.408,28.646 241.408,25.146 ; 241.858,61.246 241.958,61.246 241.958,63.246 241.858,63.246 241.858,61.246 ; 242.858,61.246 242.958,61.246 242.958,63.246 242.858,63.246 242.858,61.246 ; 242.996,25.145 243.096,25.145 243.096,27.145 242.996,27.145 242.996,25.145 ; 243.858,61.246 243.958,61.246 243.958,63.246 243.858,63.246 243.858,61.246 ; 244.583,25.146 244.683,25.146 244.683,28.646 244.583,28.646 244.583,25.146 ; 244.858,61.246 244.958,61.246 244.958,63.246 244.858,63.246 244.858,61.246 ; 246.17,25.145 246.27,25.145 246.27,27.145 246.17,27.145 246.17,25.145 ; 246.858,61.246 246.958,61.246 246.958,63.246 246.858,63.246 246.858,61.246 ; 247.758,25.146 247.858,25.146 247.858,28.646 247.758,28.646 247.758,25.146 ; 247.858,61.246 247.958,61.246 247.958,63.246 247.858,63.246 247.858,61.246 ; 248.858,61.246 248.958,61.246 248.958,63.246 248.858,63.246 248.858,61.246 ; 249.346,25.145 249.446,25.145 249.446,27.145 249.346,27.145 249.346,25.145 ; 249.858,61.246 249.958,61.246 249.958,63.246 249.858,63.246 249.858,61.246 ; 250.858,59.246 250.958,59.246 250.958,63.246 250.858,63.246 250.858,59.246 ; 250.933,25.146 251.033,25.146 251.033,28.646 250.933,28.646 250.933,25.146 ; 251.858,61.246 251.958,61.246 251.958,63.246 251.858,63.246 251.858,61.246 ; 252.52,25.145 252.62,25.145 252.62,27.145 252.52,27.145 252.52,25.145 ; 252.858,61.246 252.958,61.246 252.958,63.246 252.858,63.246 252.858,61.246 ; 253.858,61.246 253.958,61.246 253.958,63.246 253.858,63.246 253.858,61.246 ; 254.858,61.246 254.958,61.246 254.958,63.246 254.858,63.246 254.858,61.246 ; 255.709,25.145 255.809,25.145 255.809,27.145 255.709,27.145 255.709,25.145 ; 256.858,61.246 256.958,61.246 256.958,63.246 256.858,63.246 256.858,61.246 ; 257.233,25.146 257.333,25.146 257.333,28.646 257.233,28.646 257.233,25.146 ; 257.858,61.246 257.958,61.246 257.958,63.246 257.858,63.246 257.858,61.246 ; 258.82,25.145 258.92,25.145 258.92,27.145 258.82,27.145 258.82,25.145 ; 258.858,61.246 258.958,61.246 258.958,63.246 258.858,63.246 258.858,61.246 ; 259.858,61.246 259.958,61.246 259.958,63.246 259.858,63.246 259.858,61.246 ; 260.408,25.146 260.508,25.146 260.508,28.646 260.408,28.646 260.408,25.146 ; 260.858,59.246 260.958,59.246 260.958,63.246 260.858,63.246 260.858,59.246 ; 261.858,61.246 261.958,61.246 261.958,63.246 261.858,63.246 261.858,61.246 ; 261.996,25.145 262.096,25.145 262.096,27.145 261.996,27.145 261.996,25.145 ; 262.858,61.246 262.958,61.246 262.958,63.246 262.858,63.246 262.858,61.246 ; 263.583,25.146 263.683,25.146 263.683,28.646 263.583,28.646 263.583,25.146 ; 263.858,61.246 263.958,61.246 263.958,63.246 263.858,63.246 263.858,61.246 ; 264.858,61.246 264.958,61.246 264.958,63.246 264.858,63.246 264.858,61.246 ; 265.234,25.145 265.334,25.145 265.334,27.145 265.234,27.145 265.234,25.145 ; 266.758,25.146 266.858,25.146 266.858,28.646 266.758,28.646 266.758,25.146 ; 266.858,61.246 266.958,61.246 266.958,63.246 266.858,63.246 266.858,61.246 ; 267.858,61.246 267.958,61.246 267.958,63.246 267.858,63.246 267.858,61.246 ; 268.346,25.145 268.446,25.145 268.446,27.145 268.346,27.145 268.346,25.145 ; 268.858,61.246 268.958,61.246 268.958,63.246 268.858,63.246 268.858,61.246 ; 269.858,61.246 269.958,61.246 269.958,63.246 269.858,63.246 269.858,61.246 ; 269.933,25.146 270.033,25.146 270.033,28.646 269.933,28.646 269.933,25.146 ; 270.858,59.246 270.958,59.246 270.958,63.246 270.858,63.246 270.858,59.246 ; 271.52,25.145 271.62,25.145 271.62,27.145 271.52,27.145 271.52,25.145 ; 271.858,61.246 271.958,61.246 271.958,63.246 271.858,63.246 271.858,61.246 ; 272.858,61.246 272.958,61.246 272.958,63.246 272.858,63.246 272.858,61.246 ; 273.108,25.146 273.208,25.146 273.208,28.646 273.108,28.646 273.108,25.146 ; 273.858,61.246 273.958,61.246 273.958,63.246 273.858,63.246 273.858,61.246 ; 274.696,25.145 274.796,25.145 274.796,27.145 274.696,27.145 274.696,25.145 ; 274.858,61.246 274.958,61.246 274.958,63.246 274.858,63.246 274.858,61.246 ; 276.283,25.146 276.383,25.146 276.383,28.646 276.283,28.646 276.283,25.146 ; 276.858,61.246 276.958,61.246 276.958,63.246 276.858,63.246 276.858,61.246 ; 277.858,61.246 277.958,61.246 277.958,63.246 277.858,63.246 277.858,61.246 ; 277.87,25.145 277.97,25.145 277.97,27.145 277.87,27.145 277.87,25.145 ; 278.858,61.246 278.958,61.246 278.958,63.246 278.858,63.246 278.858,61.246 ; 279.858,61.246 279.958,61.246 279.958,63.246 279.858,63.246 279.858,61.246 ; 280.858,59.246 280.958,59.246 280.958,63.246 280.858,63.246 280.858,59.246 ; 281.059,25.145 281.159,25.145 281.159,27.145 281.059,27.145 281.059,25.145 ; 281.858,61.246 281.958,61.246 281.958,63.246 281.858,63.246 281.858,61.246 ; 282.583,25.146 282.683,25.146 282.683,28.646 282.583,28.646 282.583,25.146 ; 282.858,61.246 282.958,61.246 282.958,63.246 282.858,63.246 282.858,61.246 ; 283.858,61.246 283.958,61.246 283.958,63.246 283.858,63.246 283.858,61.246 ; 284.17,25.145 284.27,25.145 284.27,27.145 284.17,27.145 284.17,25.145 ; 284.858,61.246 284.958,61.246 284.958,63.246 284.858,63.246 284.858,61.246 ; 285.758,25.146 285.858,25.146 285.858,28.646 285.758,28.646 285.758,25.146 ; 286.858,61.246 286.958,61.246 286.958,63.246 286.858,63.246 286.858,61.246 ; 287.346,25.145 287.446,25.145 287.446,27.145 287.346,27.145 287.346,25.145 ; 287.858,61.246 287.958,61.246 287.958,63.246 287.858,63.246 287.858,61.246 ; 288.858,61.246 288.958,61.246 288.958,63.246 288.858,63.246 288.858,61.246 ; 288.933,25.146 289.033,25.146 289.033,28.646 288.933,28.646 288.933,25.146 ; 289.858,61.246 289.958,61.246 289.958,63.246 289.858,63.246 289.858,61.246 ; 290.584,25.145 290.684,25.145 290.684,27.145 290.584,27.145 290.584,25.145 ; 290.858,59.246 290.958,59.246 290.958,63.246 290.858,63.246 290.858,59.246 ; 291.858,61.246 291.958,61.246 291.958,63.246 291.858,63.246 291.858,61.246 ; 292.108,25.146 292.208,25.146 292.208,28.646 292.108,28.646 292.108,25.146 ; 292.858,61.246 292.958,61.246 292.958,63.246 292.858,63.246 292.858,61.246 ; 293.696,25.145 293.796,25.145 293.796,27.145 293.696,27.145 293.696,25.145 ; 293.858,61.246 293.958,61.246 293.958,63.246 293.858,63.246 293.858,61.246 ; 294.195,44.631 ccw(c293.624,44.631) 294.195,44.631 ; 294.195,52.57 ccw(c293.624,52.57) 294.195,52.57 ; 294.858,61.246 294.958,61.246 294.958,63.246 294.858,63.246 294.858,61.246 ; 295.283,25.146 295.383,25.146 295.383,28.646 295.283,28.646 295.283,25.146 ; 296.735,44.631 ccw(c296.164,44.631) 296.735,44.631 ; 296.735,52.57 ccw(c296.164,52.57) 296.735,52.57 ; 296.858,61.246 296.958,61.246 296.958,63.246 296.858,63.246 296.858,61.246 ; 296.87,25.145 296.97,25.145 296.97,27.145 296.87,27.145 296.87,25.145 ; 297.858,61.246 297.958,61.246 297.958,63.246 297.858,63.246 297.858,61.246 ; 298.458,25.146 298.558,25.146 298.558,28.646 298.458,28.646 298.458,25.146 ; 298.858,61.246 298.958,61.246 298.958,63.246 298.858,63.246 298.858,61.246 ; 299.275,44.631 ccw(c298.704,44.631) 299.275,44.631 ; 299.275,52.57 ccw(c298.704,52.57) 299.275,52.57 ; 299.858,61.246 299.958,61.246 299.958,63.246 299.858,63.246 299.858,61.246 ; 300.046,25.145 300.146,25.145 300.146,27.145 300.046,27.145 300.046,25.145 ; 300.609,51.943 301.879,51.943 301.879,53.213 300.609,53.213 300.609,51.943 ; 300.858,59.246 300.958,59.246 300.958,63.246 300.858,63.246 300.858,59.246 ; 301.633,25.146 301.733,25.146 301.733,28.646 301.633,28.646 301.633,25.146 ; 301.815,44.631 ccw(c301.244,44.631) 301.815,44.631 ; 301.858,61.246 301.958,61.246 301.958,63.246 301.858,63.246 301.858,61.246 ; 302.858,61.246 302.958,61.246 302.958,63.246 302.858,63.246 302.858,61.246 ; 303.22,25.145 303.32,25.145 303.32,27.145 303.22,27.145 303.22,25.145 ; 303.858,61.246 303.958,61.246 303.958,63.246 303.858,63.246 303.858,61.246 ; 304.858,61.246 304.958,61.246 304.958,63.246 304.858,63.246 304.858,61.246 ; 306.409,25.145 306.509,25.145 306.509,27.145 306.409,27.145 306.409,25.145 ; 306.858,61.246 306.958,61.246 306.958,63.246 306.858,63.246 306.858,61.246 ; 307.858,61.246 307.958,61.246 307.958,63.246 307.858,63.246 307.858,61.246 ; 307.933,25.146 308.033,25.146 308.033,28.646 307.933,28.646 307.933,25.146 ; 308.858,61.246 308.958,61.246 308.958,63.246 308.858,63.246 308.858,61.246 ; 309.52,25.145 309.62,25.145 309.62,27.145 309.52,27.145 309.52,25.145 ; 309.858,61.246 309.958,61.246 309.958,63.246 309.858,63.246 309.858,61.246 ; 310.858,59.246 310.958,59.246 310.958,63.246 310.858,63.246 310.858,59.246 ; 311.108,25.146 311.208,25.146 311.208,28.646 311.108,28.646 311.108,25.146 ; 311.858,61.246 311.958,61.246 311.958,63.246 311.858,63.246 311.858,61.246 ; 312.696,25.145 312.796,25.145 312.796,27.145 312.696,27.145 312.696,25.145 ; 312.858,61.246 312.958,61.246 312.958,63.246 312.858,63.246 312.858,61.246 ; 313.858,61.246 313.958,61.246 313.958,63.246 313.858,63.246 313.858,61.246 ; 314.283,25.146 314.383,25.146 314.383,28.646 314.283,28.646 314.283,25.146 ; 314.858,61.246 314.958,61.246 314.958,63.246 314.858,63.246 314.858,61.246 ; 315.934,25.145 316.034,25.145 316.034,27.145 315.934,27.145 315.934,25.145 ; 316.858,61.246 316.958,61.246 316.958,63.246 316.858,63.246 316.858,61.246 ; 317.458,25.146 317.558,25.146 317.558,28.646 317.458,28.646 317.458,25.146 ; 317.858,61.246 317.958,61.246 317.958,63.246 317.858,63.246 317.858,61.246 ; 318.858,61.246 318.958,61.246 318.958,63.246 318.858,63.246 318.858,61.246 ; 319.046,25.145 319.146,25.145 319.146,27.145 319.046,27.145 319.046,25.145 ; 319.858,61.246 319.958,61.246 319.958,63.246 319.858,63.246 319.858,61.246 ; 320.633,25.146 320.733,25.146 320.733,28.646 320.633,28.646 320.633,25.146 ; 320.858,59.246 320.958,59.246 320.958,63.246 320.858,63.246 320.858,59.246 ; 321.858,61.246 321.958,61.246 321.958,63.246 321.858,63.246 321.858,61.246 ; 322.22,25.145 322.32,25.145 322.32,27.145 322.22,27.145 322.22,25.145 ; 322.858,61.246 322.958,61.246 322.958,63.246 322.858,63.246 322.858,61.246 ; 323.808,25.146 323.908,25.146 323.908,28.646 323.808,28.646 323.808,25.146 ; 323.858,61.246 323.958,61.246 323.958,63.246 323.858,63.246 323.858,61.246 ; 324.858,61.246 324.958,61.246 324.958,63.246 324.858,63.246 324.858,61.246 ; 325.396,25.145 325.496,25.145 325.496,27.145 325.396,27.145 325.396,25.145 ; 325.858,57.246 325.958,57.246 325.958,63.246 325.858,63.246 325.858,57.246 ; 326.858,61.246 326.958,61.246 326.958,63.246 326.858,63.246 326.858,61.246 ; 326.983,25.146 327.083,25.146 327.083,28.646 326.983,28.646 326.983,25.146 ; 327.858,61.246 327.958,61.246 327.958,63.246 327.858,63.246 327.858,61.246 ; 328.57,25.145 328.67,25.145 328.67,27.145 328.57,27.145 328.57,25.145 ; 328.858,61.246 328.958,61.246 328.958,63.246 328.858,63.246 328.858,61.246 ; 329.858,61.246 329.958,61.246 329.958,63.246 329.858,63.246 329.858,61.246 ; 330.158,25.146 330.258,25.146 330.258,31.146 330.158,31.146 330.158,25.146
  Top Layer w0.3: 317.754,33.718 317.754,48.218
  Top Layer w0.4: 315.595,33.782 315.595,48.282
  Top Layer w0.5: 313.69,33.782 313.69,48.282
  Top Layer w1: 311.658,33.782 311.658,48.282
  other v1: 327.279,32.893
  other v2: 327.279,35.461
  other v3: 327.279,38.1
  other v4: 327.279,40.767
  other v5: 327.279,43.561
  other v6: 327.279,46.99
  other v7: 327.279,50.8
  other v8: 327.279,55.372

## Other copper
Top Layer:
  text "1" at 34.794,57.527 h1.52
  text "2" at 44.192,57.527 h1.52
  text "3" at 54.098,57.527 h1.52
  text "4" at 64.131,57.527 h1.52
  text "5" at 74.164,57.527 h1.52
  text "6" at 84.197,57.527 h1.52
  text "7" at 94.103,57.527 h1.52
  text "8" at 104.009,57.527 h1.52
  text "9" at 114.042,57.527 h1.52
  text "10" at 122.805,57.527 h1.52
  text "11" at 133.473,57.527 h1.52
  text "12" at 142.871,57.527 h1.52
  text "13" at 152.904,57.527 h1.52
  text "14" at 162.937,57.527 h1.52
  text "15" at 172.97,57.527 h1.52
  text "16" at 183.003,57.527 h1.52
  text "17" at 192.909,57.527 h1.52
  text "18" at 202.942,57.527 h1.52
  text "19" at 212.975,57.527 h1.52
  text "20" at 222.754,57.527 h1.52
  text "21" at 233.168,57.527 h1.52
  text "22" at 242.566,57.527 h1.52
  text "23" at 252.726,57.527 h1.52
  text "24" at 262.505,57.527 h1.52
  text "25" at 272.538,57.527 h1.52
  text "26" at 282.571,57.527 h1.52
  text "27" at 292.604,57.527 h1.52
  text "28" at 302.51,57.527 h1.52
  text "29" at 312.543,57.527 h1.52
  text "30" at 322.576,57.527 h1.52
  text "mm" at 26.539,57.4 h1
  text "CENTIMETERS" at 25.777,55.495 h1
  text "INCHES" at 25.777,31.619 h1
  text "16th" at 26.539,29.968 h1
  text "1" at 50.034,29.46 h1.52
  text "2" at 74.926,29.46 h1.52
  text "3" at 100.326,29.46 h1.52
  text "4" at 125.726,29.46 h1.52
  text "5" at 151.126,29.46 h1.52
  text "6" at 176.399,29.46 h1.52
  text "7" at 201.799,29.46 h1.52
  text "8" at 227.199,29.46 h1.52
  text "9" at 252.599,29.46 h1.52
  text "10" at 276.729,29.46 h1.52
  text "11" at 302.51,29.46 h1.52
  text "12" at 327.402,29.46 h1.52